# Altium PCB SkayboardAgain.PcbDoc (part 4 of 4)
Units mil, origin at the board's own origin, x right, y up, seen from the top; angles counter-clockwise.
Board outline 13972.57 x 4222.54 mil, 2 copper layers (Top Layer, Bottom Layer); 416 components, 229 nets, 1126 pads, 222 vias.
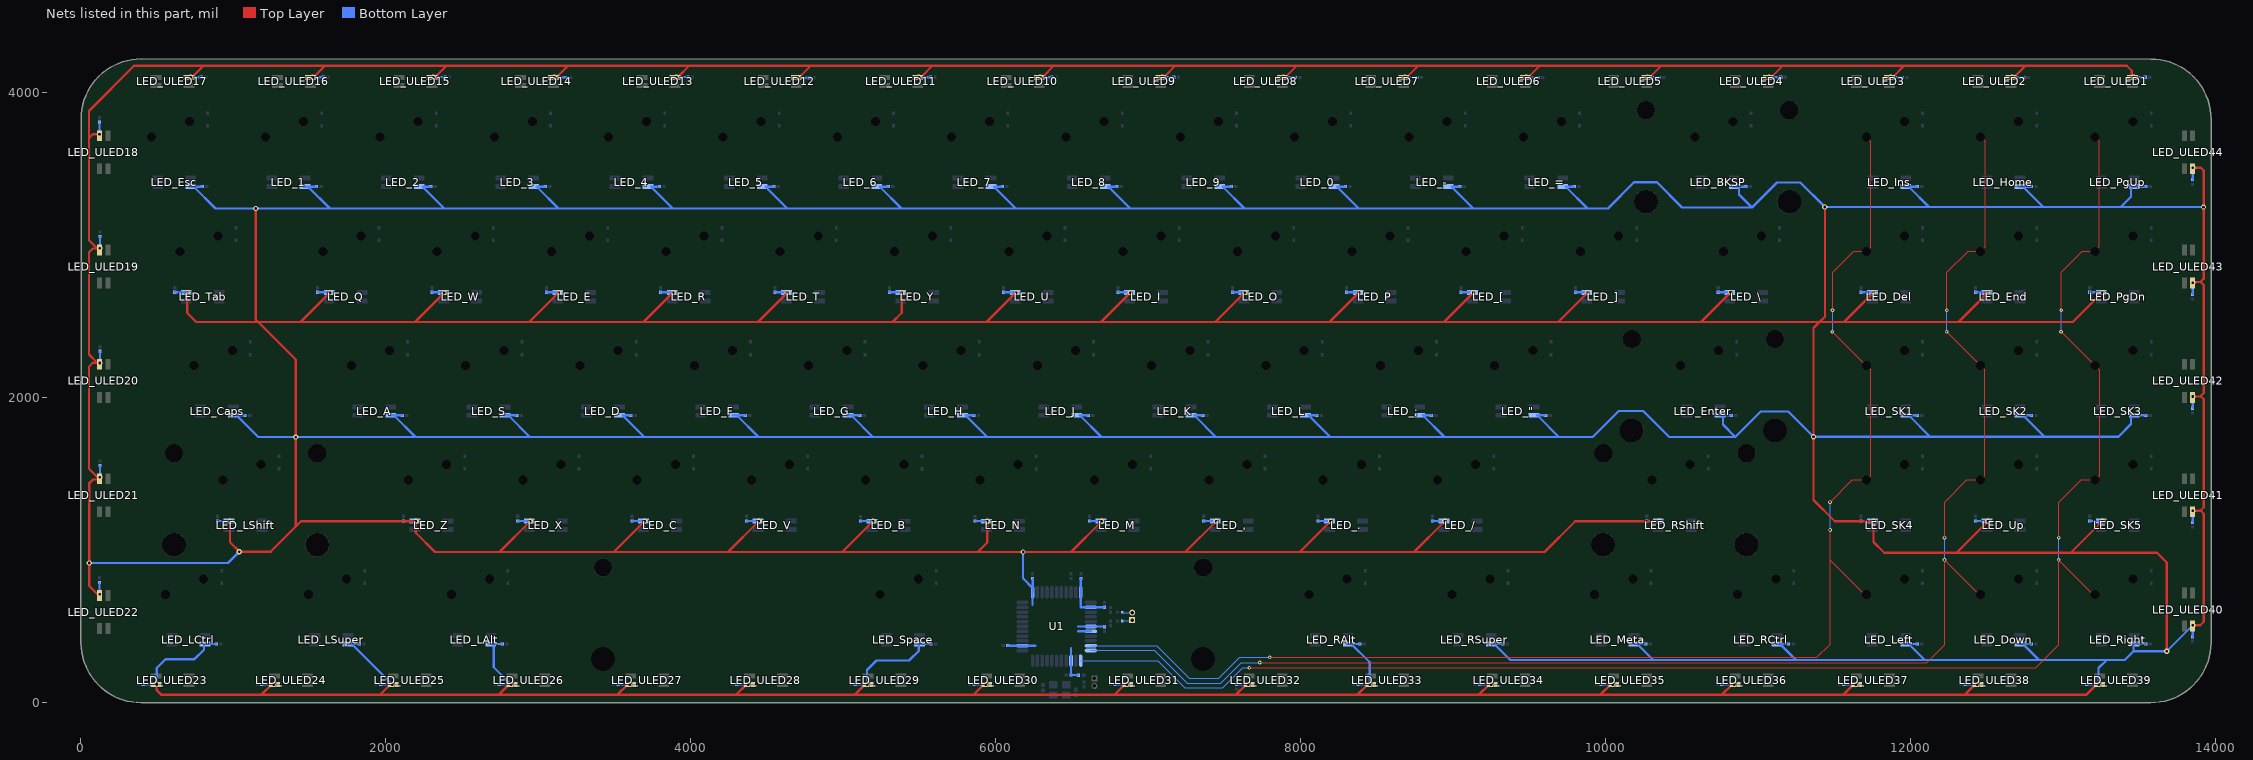
[diagram p4: the nets of this part, all layers, seen from the top]

## Via types
v1: diameter 35, hole 17, Top Layer to Bottom Layer, 135 vias
v2: diameter 24, hole 12, Top Layer to Bottom Layer, 86 vias
v3: diameter 30, hole 15, Top Layer to Bottom Layer, 1 vias

## Nets (pads, with @x,y where several pads share a name; then routed paths per layer and width w, separated by ;. In a path a pad name is that pad's centre, name@x,y a point inside that pad or via, vN(x,y) a via of type N, cw(c..) or ccw(c..) an arc to the next point about the centre after c; other vN are vias at no path point) (continued)
NetMX_Del_1: MX_Del.1 MX_Ins.1 MX_Left.1 MX_SK1.1 MX_SK4.1 U1.10 | length 9112.9
  Top Layer w5: v2(7797.93,297.29) 11386.77,297.29 11474.41,384.93 11474.41,935.04 ; v2(11473.77,1315.9) 11619.17,1461.29 MX_SK4.1@11711.3,1461.26 ; v2@11474.41,1135.41 11474.41,935.04 ; v2@11488.84,2433.1 11710.62,2211.31 ; v2(11490.16,2574.8) 11490.16,2822.83 11628.61,2961.28 11713.29,2961.28 ; 11698.16,711.29 11474.41,935.04 ; MX_SK4.1@11711.3,1461.26 11739.53,1489.49 11739.53,2183.04 MX_SK1.1@11711.3,2211.26 ; MX_Del.1@11711.3,2961.26 11715.89,2961.26 11741.44,2986.82 11741.44,3681.17 MX_Ins.1@11711.3,3711.31
  Bottom Layer w5: U1.10@6624.41,374.02 6625.39,375 7057.22,375 7271.42,160.8 7463.37,160.8 7599.85,297.29 v2(7797.93,297.29) ; v2(11473.77,1315.9) 11473.98,1315.69 11473.98,1135.83 v2@11474.19,1135.63 ; v2(11488.16,2433.1) 11490.16,2435.09 v2(11490.16,2574.8)
  other v2: 11474.19,1132.39
NetMX_Down_1: MX_Down.1 MX_End.1 MX_Home.1 MX_SK2.1 MX_Up.1 U1.11 | length 9872.8
  Top Layer w5: v2(7732.16,263.26) 12106.57,263.26 12224.41,381.1 v2@12224.41,935.04 ; v2(12224.41,937.01) v2@12224.41,935.04 ; v2(12224.41,1082.68) 12224.41,1314.96 12370.74,1461.29 MX_Up.1@12461.3,1461.26 12488.55,1488.51 12488.55,2183.38 v2@12238.84,2433.1 ; v2(12240.16,2574.8) 12240.16,2822.83 12378.61,2961.28 MX_End.1@12461.3,2961.26 12490.75,2990.71 12490.75,3681.86 MX_Home.1@12461.3,3711.31 ; 12448.16,711.29 v2@12224.41,935.04
  Bottom Layer w5: U1.11@6624.41,342.52 6626.89,345 7039.74,345 7255.76,128.98 7476.5,128.98 7610.79,263.26 v2(7732.16,263.26) ; v2(12224.41,937.01) v2(12224.41,1082.68) ; v2(12238.16,2433.1) 12240.16,2435.09 v2(12240.16,2574.8)
NetMX_PgDn_1: MX_PgDn.1 MX_PgUp.1 MX_Right.1 MX_SK3.1 MX_SK5.1 U1.12 | length 10689.8
  Top Layer w5: v2(7664.21,228.89) 12821.62,228.89 12974.41,381.67 v2@12974.41,935.04 ; v2(12974.41,937.01) v2@12974.41,935.04 ; v2(12974.41,1082.68) 12974.41,1314.96 13120.74,1461.29 MX_SK5.1@13211.3,1461.26 ; v2@12988.84,2433.1 13241.92,2180.02 13241.92,1491.88 MX_SK5.1@13211.3,1461.26 ; v2(12990.16,2574.8) 12990.16,2822.83 13128.61,2961.28 MX_PgDn.1@13211.3,2961.26 ; 13198.16,711.29 v2@12974.41,935.04 ; MX_PgUp.1@13211.3,3711.31 13240.57,3682.04 13240.57,2990.53 MX_PgDn.1@13211.3,2961.26 ; 13213.29,2961.28 MX_PgDn.1@13211.3,2961.26
  Bottom Layer w5: U1.12@6557.48,275.59 7062.78,275.59 7240.16,98.21 7490.53,98.21 7621.2,228.89 v2(7664.21,228.89) ; v2(12974.41,937.01) v2(12974.41,1082.68) ; v2(12988.16,2433.1) 12990.16,2435.09 v2(12990.16,2574.8)
NetR1_2: R1.2 USB1.2 | length 66.5
  Bottom Layer w5: R1.2@6830.75,594 6833.75,591 USB1.2@6896,591
NetR2_2: R2.2 USB1.1 | length 67.3
  Bottom Layer w5: R2.2@6830.75,536 6891,536 USB1.1@6896,541
VCC: "C_\".1" "LED_\".1" C7.2 C8.2 C9.2 C10.2 C11.2 C12.2 C_0.1 C_1.1 C_2.1 C_3.1 C_4.1 C_5.1 C_6.1 C_7.1 C_8.1 C_9.1 C_,.1 C_-.1 C_..1 C_/.1 C_;.1 C_=.1 C_[.1 C_\.1 C_].1 C_A.1 C_B.1 C_BKSP.1 C_C.1 C_Caps.1 C_D.1 C_Del.1 C_Down.1 C_E.1 C_End.1 C_Enter.1 C_Esc.1 C_F.1 C_G.1 C_H.1 C_Home.1 C_I.1 C_Ins.1 C_J.1 C_K.1 C_L.1 C_LAlt.1 C_LCtrl.1 C_Left.1 C_LShift.1 C_LSuper.1 C_M.1 C_Meta.1 C_N.1 C_O.1 C_P.1 C_PgDn.1 C_PgUp.1 C_Q.1 C_R.1 C_RAlt.1 C_RCtrl.1 C_Right.1 C_RShift.1 C_RSuper.1 C_S.1 C_SK1.1 C_SK2.1 C_SK3.1 C_SK4.1 C_SK5.1 C_Space.1 C_T.1 C_Tab.1 C_U.1 C_ULED1.1 C_ULED2.1 C_ULED3.1 C_ULED4.1 C_ULED5.1 C_ULED6.1 C_ULED7.1 C_ULED8.1 C_ULED9.1 C_ULED10.1 C_ULED11.1 C_ULED12.1 C_ULED13.1 C_ULED14.1 C_ULED15.1 C_ULED16.1 C_ULED17.1 C_ULED18.1 C_ULED19.1 C_ULED20.1 C_ULED21.1 C_ULED22.1 C_ULED23.1 C_ULED24.1 C_ULED25.1 C_ULED26.1 C_ULED27.1 C_ULED28.1 C_ULED29.1 C_ULED30.1 C_ULED31.1 C_ULED32.1 C_ULED33.1 C_ULED34.1 C_ULED35.1 C_ULED36.1 C_ULED37.1 C_ULED38.1 C_ULED39.1 C_ULED40.1 C_ULED41.1 C_ULED42.1 C_ULED43.1 C_ULED44.1 C_Up.1 C_V.1 C_W.1 C_X.1 C_Y.1 C_Z.1 LED_0.1 LED_1.1 LED_2.1 LED_3.1 LED_4.1 LED_5.1 LED_6.1 LED_7.1 LED_8.1 LED_9.1 LED_,.1 LED_-.1 LED_..1 LED_/.1 LED_;.1 LED_=.1 LED_[.1 LED_\.1 LED_].1 LED_A.1 LED_B.1 LED_BKSP.1 LED_C.1 LED_Caps.1 LED_D.1 LED_Del.1 LED_Down.1 LED_E.1 LED_End.1 LED_Enter.1 LED_Esc.1 LED_F.1 LED_G.1 LED_H.1 LED_Home.1 LED_I.1 LED_Ins.1 LED_J.1 LED_K.1 LED_L.1 LED_LAlt.1 LED_LCtrl.1 LED_Left.1 LED_LShift.1 LED_LSuper.1 LED_M.1 LED_Meta.1 LED_N.1 LED_O.1 LED_P.1 LED_PgDn.1 LED_PgUp.1 LED_Q.1 LED_R.1 LED_RAlt.1 LED_RCtrl.1 LED_Right.1 LED_RShift.1 LED_RSuper.1 LED_S.1 LED_SK1.1 LED_SK2.1 LED_SK3.1 LED_SK4.1 LED_SK5.1 LED_Space.1 LED_T.1 LED_Tab.1 LED_U.1 LED_ULED1.1 LED_ULED2.1 LED_ULED3.1 LED_ULED4.1 LED_ULED5.1 LED_ULED6.1 LED_ULED7.1 LED_ULED8.1 LED_ULED9.1 LED_ULED10.1 LED_ULED11.1 LED_ULED12.1 LED_ULED13.1 LED_ULED14.1 LED_ULED15.1 LED_ULED16.1 LED_ULED17.1 LED_ULED18.1 LED_ULED19.1 LED_ULED20.1 LED_ULED21.1 LED_ULED22.1 LED_ULED23.1 LED_ULED24.1 LED_ULED25.1 LED_ULED26.1 LED_ULED27.1 LED_ULED28.1 LED_ULED29.1 LED_ULED30.1 LED_ULED31.1 LED_ULED32.1 LED_ULED33.1 LED_ULED34.1 LED_ULED35.1 LED_ULED36.1 LED_ULED37.1 LED_ULED38.1 LED_ULED39.1 LED_ULED40.1 LED_ULED41.1 LED_ULED42.1 LED_ULED43.1 LED_ULED44.1 LED_Up.1 LED_V.1 LED_W.1 LED_X.1 LED_Y.1 LED_Z.1 R3.1 U1.2 U1.6 U1.7 U1.14 U1.24 U1.34 U1.44 | length 125125.6
  Top Layer w15: LED_ULED18.1@121.34,3729.79 77.62,3729.79 52.19,3704.35 ; LED_ULED20.1@122.44,2213.62 106.28,2229.79 ; LED_ULED19.1@122.44,2963.62 106.28,2979.79 ; LED_ULED22.1@123.54,697.46 53.29,767.71 v1(53.29,916.44) 53.29,1438.19 78.72,1463.62 122.44,1463.62 52.19,1533.87 52.19,2204.35 77.62,2229.79 106.28,2229.79 ; v1(497.64,119.44) 497.79,119.28 497.79,80.81 525.6,53 1184.18,53 ; v1(696.37,2690.5) 696.37,2556.63 756,2497 1162.82,2497 ; LED_ULED17.1@713,4103 LED_ULED17.1@728.39,4103 ; LED_ULED17.1@727.95,4102.56 LED_ULED17.1@728.39,4103 ; v1(977.62,1190.5) 977.62,1052.49 v1(1039.11,991) 1244.44,991 1409.11,1155.67 ; v1(1145.56,3242) 1145.56,2514.26 1162.82,2497 ; LED_ULED24.1@1276.21,119.44 v1(1263.41,119.44) 1250.62,119.44 1184.18,53 ; LED_ULED16.1@1512,4103 LED_ULED16.1@1525.27,4103 ; LED_ULED16.1@1524.83,4102.56 LED_ULED16.1@1525.27,4103 ; v1(1633.93,2690.5) 1440.42,2497 ; LED_ULED25.1@2054.78,119.44 v1(2041.98,119.44) 2029.19,119.44 1962.75,53 ; LED_ULED15.1@2311,4104 LED_ULED15.1@2323.14,4104 ; LED_ULED15.1@2321.7,4102.56 LED_ULED15.1@2323.14,4104 ; v1(2383.93,2690.5) 2190.42,2497 ; LED_ULED26.1@2833.35,119.44 v1(2820.56,119.44) 2807.76,119.44 2741.32,53 ; v1(2946.37,1190.5) 2744.5,988.63 ; LED_ULED14.1@3118.58,4102.56 3193.87,4177.85 ; v1(3133.93,2690.5) 2940.42,2497 ; LED_ULED27.1@3611.92,119.44 v1(3599.13,119.44) 3586.33,119.44 3519.9,53 ; v1(3696.38,1190.5) 3494.5,988.63 ; v1(3883.94,2690.5) 3690.43,2497 ; LED_ULED13.1@3905,4104 LED_ULED13.1@3916.89,4104 ; LED_ULED13.1@3915.45,4102.56 LED_ULED13.1@3916.89,4104 ; LED_ULED28.1@4390.49,119.44 v1(4377.7,119.44) 4364.9,119.44 4298.47,53 ; v1(4446.38,1190.5) 4244.5,988.63 ; v1(4633.94,2690.5) 4440.43,2497 ; LED_ULED12.1@4712.33,4102.56 4787.62,4177.85 ; LED_ULED29.1@5169.07,119.44 v1(5156.53,119.44) 5143.48,119.44 5077.04,53 ; v1(5195.43,1190.15) 4993.9,988.63 ; v1(5383.94,2690.5) 5383.94,2557.7 5323.24,2497 ; LED_ULED11.1@5496,4103 LED_ULED11.1@5509.64,4103 ; LED_ULED11.1@5509.2,4102.56 LED_ULED11.1@5509.64,4103 ; v1(5945.6,1190.15) 5945.6,1051.3 5882.93,988.63 ; LED_ULED30.1@5947.64,119.44 v1(5934.84,119.44) 5922.05,119.44 5855.61,53 ; v1(6133.94,2690.5) 5940.43,2497 ; v1@6179.81,988.63 6494.5,988.63 ; v1(6179.81,988.76) 6179.68,988.63 5882.93,988.63 ; LED_ULED10.1@6293,4103 LED_ULED10.1@6306.52,4103 ; LED_ULED10.1@6306.08,4102.56 LED_ULED10.1@6306.52,4103 ; v1(6696.38,1190.5) 6494.5,988.63 ; LED_ULED31.1@6872.64,119.44 v1(6859.84,119.44) 6847.05,119.44 6780.61,53 ; v1(6883.94,2690.5) 6690.43,2497 ; LED_ULED9.1@7092.48,4103.33 LED_ULED9.1@7103.73,4103.33 ; LED_ULED9.1@7102.95,4102.56 LED_ULED9.1@7103.73,4103.33 ; v1(7446.38,1190.5) 7244.5,988.63 ; v1(7633.94,2690.5) 7440.43,2497 ; LED_ULED32.1@7669.51,119.44 v1(7656.72,119.44) 7643.92,119.44 7577.49,53 ; LED_ULED8.1@7899.83,4102.56 7975.12,4177.85 ; v1(8196.38,1190.5) 7994.5,988.63 ; v1(8383.94,2690.5) 8190.43,2497 ; v1(8453.59,119.44) 8440.8,119.44 8374.36,53 ; LED_ULED7.1@8696.7,4102.56 8771.99,4177.85 ; v1(8946.38,1190.5) 8744.5,988.63 ; v1(9133.94,2690.5) 8940.43,2497 ; v1(9250.47,119.44) 9237.67,119.44 9171.24,53 ; LED_ULED6.1@9493.58,4102.56 9568.87,4177.85 ; v1(9883.94,2690.5) 9690.43,2497 ; LED_ULED35.1@10060.14,119.44 v1(10047.34,119.44) 10034.55,119.44 9968.11,53 ; LED_ULED5.1@10290.45,4102.56 10365.74,4177.85 ; v1(10352.64,1190.5) 9802.5,1190.5 9600.63,988.63 8744.5,988.63 ; v1(10820.61,2691.27) 10626.34,2497 ; LED_ULED36.1@10857.01,119.44 v1(10844.22,119.44) 10831.42,119.44 10764.99,53 ; LED_ULED4.1@11072.99,4102.9 LED_ULED4.1@11087.67,4102.9 ; LED_ULED4.1@11087.33,4102.56 LED_ULED4.1@11087.67,4102.9 ; v1(11439.8,3251.8) 11439.8,2532.38 11404.42,2497 ; LED_ULED37.1@11653.89,119.44 v1(11641.09,119.44) 11628.3,119.44 11561.86,53 ; v1(11758.94,2690.5) 11565.43,2497 ; LED_ULED3.1@11858.61,4102.56 11884.2,4102.56 11959.49,4177.85 ; LED_ULED38.1@12450.76,119.44 v1(12437.97,119.44) 12425.17,119.44 12358.74,53 ; v1(12508.94,1190.5) 12302.43,984 ; v1(12508.94,2690.5) 12315.43,2497 ; LED_ULED2.1@12655.49,4102.56 12681.08,4102.56 12756.37,4177.85 ; LED_ULED39.1@13222.05,119.44 LED_ULED39.1@13221.61,119 ; v1(13235.28,119) LED_ULED39.1@13221.61,119 ; v1(13258.94,1190.5) 13052.43,984 ; v1(13258.94,2690.5) 13065.43,2497 12315.43,2497 ; LED_ULED1.1@13452.36,4102.56 13452.36,4144.71 13419.22,4177.85 12756.37,4177.85 ; v1(13682.81,337.77) 13682.81,919.19 13618,984 13052.43,984 ; LED_ULED43.1@13852.05,2759.4 13901.89,2759.4 ; LED_ULED42.1@13852.31,2009.15 13902.14,2009.15 ; LED_ULED41.1@13852.56,1258.9 13902.39,1258.9 ; LED_ULED44.1@13852.56,3509.66 13905.4,3509.66 13924.33,3490.72 13924.33,2781.85 13901.89,2759.4 ; LED_ULED40.1@13852.81,508.65 13902.64,508.65 13925.09,531.09 13925.09,1239.96 13906.15,1258.9 13902.39,1258.9 ; 52.19,3704.35 52.19,3882.01 348.03,4177.85 803.24,4177.85 ; 52.19,3704.35 52.19,3033.87 106.28,2979.79 ; 106.28,2229.79 52.19,2283.87 52.19,2954.35 77.62,2979.79 106.28,2979.79 ; LED_ULED17.1@728.39,4103 803.24,4177.85 ; 803.24,4177.85 1600.12,4177.85 ; 1162.82,2497 1440.42,2497 ; 1162.82,2497 1409.11,2250.71 v1(1409.11,1742.52) 1409.11,1155.67 ; 1184.18,53 1962.75,53 ; 1409.11,1155.67 1443.95,1190.5 v1(2196.37,1190.5) 2196.37,1114.57 2322.32,988.63 2744.5,988.63 ; 1440.42,2497 2190.42,2497 ; LED_ULED16.1@1525.27,4103 1600.12,4177.85 ; 1600.12,4177.85 2396.99,4177.85 ; 1962.75,53 2741.32,53 ; 2190.42,2497 2940.42,2497 ; LED_ULED15.1@2323.14,4104 2396.99,4177.85 ; 2396.99,4177.85 3193.87,4177.85 ; 2741.32,53 3519.9,53 ; 2744.5,988.63 3494.5,988.63 ; 2940.42,2497 3690.43,2497 ; 3193.87,4177.85 3990.74,4177.85 ; 3494.5,988.63 4244.5,988.63 ; 3519.9,53 4298.47,53 ; 3690.43,2497 4440.43,2497 ; LED_ULED13.1@3916.89,4104 3990.74,4177.85 ; 3990.74,4177.85 4787.62,4177.85 ; 4244.5,988.63 4993.9,988.63 ; 4298.47,53 5077.04,53 ; 4440.43,2497 5323.24,2497 ; 4787.62,4177.85 5584.49,4177.85 ; 4993.9,988.63 5882.93,988.63 ; 5077.04,53 5855.61,53 ; 5323.24,2497 5940.43,2497 ; LED_ULED11.1@5509.64,4103 5584.49,4177.85 ; 5584.49,4177.85 6381.37,4177.85 ; 5855.61,53 6780.61,53 ; 5940.43,2497 6690.43,2497 ; LED_ULED10.1@6306.52,4103 6381.37,4177.85 ; 6381.37,4177.85 7178.24,4177.85 ; 6494.5,988.63 7244.5,988.63 ; 6690.43,2497 7440.43,2497 ; 6780.61,53 7577.49,53 ; LED_ULED9.1@7103.73,4103.33 7178.24,4177.85 ; 7178.24,4177.85 7975.12,4177.85 ; 7244.5,988.63 7994.5,988.63 ; 7440.43,2497 8190.43,2497 ; 7577.49,53 8374.36,53 ; 7975.12,4177.85 8771.99,4177.85 ; 7994.5,988.63 8744.5,988.63 ; 8190.43,2497 8940.43,2497 ; 8374.36,53 9171.24,53 ; 8771.99,4177.85 9568.87,4177.85 ; 8940.43,2497 9690.43,2497 ; 9171.24,53 9968.11,53 ; 9568.87,4177.85 10365.74,4177.85 ; 9690.43,2497 10626.34,2497 ; 9968.11,53 10764.99,53 ; 10365.74,4177.85 11162.62,4177.85 ; 10626.34,2497 11404.42,2497 ; 10764.99,53 11561.86,53 ; LED_ULED4.1@11087.67,4102.9 11162.62,4177.85 ; 11162.62,4177.85 11959.49,4177.85 ; 11404.42,2497 11365.17,2457.75 v1(11365.17,1745) 11365.17,1330.44 11505.11,1190.5 v1(11758.94,1190.5) 11758.94,1054.71 11829.65,984 12302.43,984 ; 11404.42,2497 11565.43,2497 ; 11561.86,53 12358.74,53 ; 11565.43,2497 12315.43,2497 ; 11959.49,4177.85 12756.37,4177.85 ; 12302.43,984 13052.43,984 ; 12358.74,53 13155.61,53 LED_ULED39.1@13221.61,119 ; 13901.89,2759.4 13905.65,2759.4 13924.59,2740.47 13924.59,2031.6 13902.14,2009.15 ; 13902.14,2009.15 13905.9,2009.15 13924.84,1990.21 13924.84,1281.35 13902.39,1258.9
  Bottom Layer w5: LED_RAlt.1@8307.36,385.39 LED_RAlt.1@8307.81,384.95 ; LED_RSuper.1@9244.84,385.39 LED_RSuper.1@9245.29,384.95 ; LED_Meta.1@10182.36,385.39 LED_Meta.1@10182.81,384.95 ; LED_RCtrl.1@11119.84,385.39 LED_RCtrl.1@11120.29,384.95 ; LED_Down.1@12713.66,385.39 LED_Down.1@12714.1,384.95 ; LED_SK3.1@13463.66,1885.39 LED_SK3.1@13464.1,1884.95 ; LED_PgUp.1@13463.66,3385.44 LED_PgUp.1@13464.1,3385
  Bottom Layer w15: v1@52.85,916.44 v1(53.29,916.44) 964.55,916.44 v1(1039.11,991) ; v1@121.34,3729.79 C_ULED18.1@121.34,3806.22 ; v1@121.96,712.15 C_ULED22.1@121.96,788.58 ; v1@124,1479 C_ULED21.1@124,1555.43 ; v1@124,2228 C_ULED20.1@124,2304.43 ; v1@124,2981 C_ULED19.1@124,3057.43 ; C_ULED23.1@407.57,119 v1@484,119 ; v1(497.64,119.44) 497.64,227.7 555.69,285.75 744.75,285.75 807,348 807,384.16 807.78,384.95 C_LCtrl.1@888.73,384.95 ; C_Tab.1@615,2692.04 LED_Tab.1@685.86,2692.04 ; LED_Tab.1@685.86,2690.5 v1(696.37,2690.5) ; LED_Esc.1@713.65,3385.44 739.24,3385.44 LED_Esc.1@739.68,3385 ; v1@728.39,4103 C_ULED17.1@789.43,4103 ; C_Esc.1@795.04,3385 LED_Esc.1@739.68,3385 ; C_LShift.1@896.25,1192.04 976.08,1192.04 v1(977.62,1190.5) ; LED_Caps.1@994.84,1885.39 1020.43,1885.39 LED_Caps.1@1020.87,1884.95 ; C_Caps.1@1076.23,1884.95 LED_Caps.1@1020.87,1884.95 ; C_ULED24.1@1186.98,119.44 v1@1250.62,119.44 ; LED_1.1@1463.57,3385.44 1489.16,3385.44 LED_1.1@1489.6,3385 ; v1@1525.27,4103 C_ULED16.1@1588.43,4103 ; C_1.1@1544.96,3385 LED_1.1@1489.6,3385 ; C_Q.1@1552.56,2692.04 1632.39,2692.04 v1(1633.93,2690.5) ; LED_LSuper.1@1745.29,384.95 LED_LSuper.1@1776.48,384.95 ; C_LSuper.1@1826.24,384.95 LED_LSuper.1@1776.48,384.95 ; C_ULED25.1@1965.55,119.44 v1@2029.19,119.44 ; LED_A.1@2026.1,1885.39 2051.69,1885.39 LED_A.1@2052.13,1884.95 ; v1(2041.98,119.44) 1788.22,373.2 1782.62,373.2 1776.48,379.35 LED_LSuper.1@1776.48,384.95 ; C_A.1@2107.49,1884.95 LED_A.1@2052.13,1884.95 ; C_Z.1@2115,1192.04 2194.84,1192.04 v1(2196.37,1190.5) ; C_2.1@2294.96,3385 2239.6,3385 2382.6,3242 ; C_W.1@2302.56,2692.04 2382.39,2692.04 v1(2383.93,2690.5) ; v1@2323.14,4104 C_ULED15.1@2387.43,4104 ; LED_LAlt.1@2682.35,385.39 2707.94,385.39 LED_LAlt.1@2707.94,384.95 ; C_ULED26.1@2744.12,119.44 v1@2807.76,119.44 ; C_LAlt.1@2763.74,384.95 LED_LAlt.1@2707.94,384.95 ; LED_S.1@2776.1,1885.39 2801.69,1885.39 LED_S.1@2802.13,1884.95 ; v1(2820.56,119.44) 2707.94,232.06 LED_LAlt.1@2707.94,384.95 ; C_S.1@2857.49,1884.95 LED_S.1@2802.13,1884.95 ; C_X.1@2865,1192.04 2944.84,1192.04 v1(2946.37,1190.5) ; C_3.1@3044.96,3385 2989.6,3385 3132.6,3242 ; C_E.1@3052.56,2692.04 3132.39,2692.04 v1(3133.93,2690.5) ; v1@3105,4102 C_ULED14.1@3181.43,4102 ; C_ULED27.1@3522.69,119.44 v1@3586.33,119.44 ; C_D.1@3607.49,1884.95 3552.13,1884.95 3694.56,1742.52 ; C_C.1@3615.01,1192.04 3694.85,1192.04 v1(3696.38,1190.5) ; C_4.1@3794.9,3385 3739.54,3385 3882.54,3242 ; C_R.1@3802.57,2692.04 3882.4,2692.04 v1(3883.94,2690.5) ; v1@3916.89,4104 C_ULED13.1@3981.43,4104 ; LED_F.1@4276.1,1885.39 4301.7,1885.39 LED_F.1@4302.14,1884.95 ; C_ULED28.1@4301.27,119.44 v1@4364.9,119.44 ; C_F.1@4357.5,1884.95 LED_F.1@4302.14,1884.95 ; C_V.1@4365.01,1192.04 4444.85,1192.04 v1(4446.38,1190.5) ; C_5.1@4544.98,3385 4489.62,3385 4632.62,3242 ; C_T.1@4552.57,2692.04 4632.4,2692.04 v1(4633.94,2690.5) ; v1@4700,4100 C_ULED12.1@4776.43,4100 ; LED_G.1@5026.1,1885.39 5051.7,1885.39 LED_G.1@5052.14,1884.95 ; C_ULED29.1@5079.84,119.44 v1@5143.48,119.44 ; C_G.1@5107.5,1884.95 LED_G.1@5052.14,1884.95 ; C_B.1@5114.06,1191.69 5193.89,1191.69 v1(5195.43,1190.15) ; v1(5156.53,119.44) 5156.53,214.53 5219.06,277.06 5432.06,277.06 5494.84,339.84 LED_Space.1@5494.84,385.39 ; C_6.1@5295.05,3385 5239.69,3385 5382.69,3242 ; C_Y.1@5302.57,2692.04 5382.4,2692.04 v1(5383.94,2690.5) ; LED_Space.1@5495.29,384.95 C_Space.1@5576.24,384.95 ; v1@5509.64,4103 C_ULED11.1@5572.43,4103 ; C_H.1@5857.5,1884.95 5802.14,1884.95 5944.56,1742.52 ; C_ULED30.1@5858.41,119.44 v1@5922.05,119.44 ; C_N.1@5864.23,1191.69 5944.07,1191.69 v1(5945.6,1190.15) ; C_7.1@6044.98,3385 5989.62,3385 6132.62,3242 ; C_U.1@6052.57,2692.04 6132.4,2692.04 v1(6133.94,2690.5) ; C9.2@6079.96,374 U1.24@6175.59,374.02 ; U1.24@6176.84,372.75 6260.29,372.75 ; v1@6178.36,987.31 v1(6179.81,988.76) 6179.81,815.67 6242.26,753.21 6242.26,640.7 ; U1.34@6243.18,726.41 C7.2@6243.18,814.55 ; v1@6306.52,4103 C_ULED10.1@6369.43,4103 ; C12.2@6493.74,182.22 C12.2@6493.96,182 C12.2@6493.96,182 ; 6494.49,357.5 U1.14@6494.49,275.59 6494.22,275.33 6494.22,182.19 C12.2@6493.96,182 ; 6542,468 6542.5,468.5 U1.7@6624.41,468.5 ; 6542,500 U1.6@6624.41,500 6624.91,500.5 6713.54,500.5 C11.2@6714.04,501 ; R3.1@6543.28,180 6542.28,181 6494.96,181 C12.2@6493.96,182 ; 6557.48,640.96 U1.44@6557.48,724.41 6558.74,725.67 6558.74,813.78 C8.2@6560,815.04 ; 6558,625.99 U1.2@6624.41,625.98 ; C_J.1@6607.5,1884.95 6552.14,1884.95 6694.56,1742.52 ; C_M.1@6615.01,1192.04 6694.85,1192.04 v1(6696.38,1190.5) ; U1.2@6622.76,627.63 U1.2@6624.41,625.98 ; C10.2@6714.03,625.99 U1.2@6624.41,625.98 ; C_ULED31.1@6783.41,119.44 v1@6847.05,119.44 ; C_8.1@6794.98,3385 6739.62,3385 6882.62,3242 ; C_I.1@6802.57,2692.04 6882.4,2692.04 v1(6883.94,2690.5) ; v1@7103.73,4103.33 C_ULED9.1@7168.91,4103.33 ; C_K.1@7357.5,1884.95 7302.14,1884.95 7444.56,1742.52 ; 7365.01,1192.04 7444.85,1192.04 v1(7446.38,1190.5) ; C_9.1@7545.05,3385 7489.69,3385 7632.69,3242 ; C_O.1@7552.57,2692.04 7632.4,2692.04 v1(7633.94,2690.5) ; C_ULED32.1@7580.28,119.44 v1@7643.92,119.44 ; v1@7888,4102 C_ULED8.1@7964.43,4102 ; C_L.1@8107.5,1884.95 8052.14,1884.95 8194.56,1742.52 ; C_..1@8115.01,1192.04 8194.85,1192.04 v1(8196.38,1190.5) ; C_0.1@8295.05,3385 8239.69,3385 8382.69,3242 ; C_P.1@8302.57,2692.04 8382.4,2692.04 v1(8383.94,2690.5) ; LED_RAlt.1@8307.81,384.95 LED_RAlt.1@8333.4,384.95 ; C_ULED33.1@8377.16,119.44 v1@8440.8,119.44 ; C_RAlt.1@8388.76,384.95 LED_RAlt.1@8333.4,384.95 ; v1(8453.59,119.44) 8453.59,264.75 LED_RAlt.1@8333.4,384.95 ; v1@8685.79,4101.74 C_ULED7.1@8762.22,4101.74 ; 8857.5,1884.95 8802.14,1884.95 8944.56,1742.52 ; C_/.1@8865.01,1192.04 8944.85,1192.04 v1(8946.38,1190.5) ; C_-.1@9045.05,3385 8989.69,3385 9132.69,3242 ; C_[.1@9052.57,2692.04 9132.4,2692.04 v1(9133.94,2690.5) ; C_ULED34.1@9174.03,119.44 v1@9237.67,119.44 ; LED_RSuper.1@9245.29,384.95 LED_RSuper.1@9270.88,384.95 ; C_RSuper.1@9326.24,384.95 LED_RSuper.1@9270.88,384.95 ; v1@9481.31,4101.66 C_ULED6.1@9557.75,4101.66 ; 9607.5,1884.95 9552.14,1884.95 9694.56,1742.52 ; C_=.1@9795.05,3385 9739.69,3385 9882.69,3242 ; C_].1@9802.57,2692.04 9882.4,2692.04 v1(9883.94,2690.5) ; C_ULED35.1@9970.91,119.44 v1@10034.55,119.44 ; LED_Meta.1@10182.81,384.95 LED_Meta.1@10208.4,384.95 ; C_Meta.1@10263.76,384.95 LED_Meta.1@10208.4,384.95 ; C_RShift.1@10271.27,1192.04 10351.11,1192.04 v1(10352.64,1190.5) ; v1@10276.77,4101.94 C_ULED5.1@10353.21,4101.94 ; C_\.1@10740.01,2692.04 10819.85,2692.04 v1(10820.61,2691.27) ; LED_Enter.1@10744.84,1885.39 10770.43,1885.39 LED_Enter.1@10770.88,1884.95 ; C_ULED36.1@10764.11,119.44 v1@10831.42,119.44 ; C_Enter.1@10826.24,1884.95 LED_Enter.1@10770.88,1884.95 ; LED_BKSP.1@10838.66,3385.44 10864.25,3385.44 LED_BKSP.1@10864.69,3385 ; C_BKSP.1@10920.05,3385 LED_BKSP.1@10864.69,3385 ; v1@11087.67,4102.9 C_ULED4.1@11149.43,4102.9 ; LED_RCtrl.1@11120.29,384.95 LED_RCtrl.1@11145.88,384.95 ; C_RCtrl.1@11201.24,384.95 LED_RCtrl.1@11145.88,384.95 ; C_ULED37.1@11564.66,119.44 v1@11628.3,119.44 ; C_SK4.1@11677.57,1192.04 11757.4,1192.04 v1(11758.94,1190.5) ; C_Del.1@11677.57,2692.04 11757.4,2692.04 v1(11758.94,2690.5) ; v1@11884.2,4102.56 C_ULED3.1@11947.84,4102.56 ; LED_Left.1@11963.66,385.39 11989.25,385.39 LED_Left.1@11989.69,384.95 ; LED_SK1.1@11963.66,1885.39 11989.25,1885.39 LED_SK1.1@11989.69,1884.95 ; LED_Ins.1@11963.66,3385.44 11989.25,3385.44 LED_Ins.1@11989.69,3385 ; C_Left.1@12045.05,384.95 LED_Left.1@11989.69,384.95 ; C_SK1.1@12045.05,1884.95 LED_SK1.1@11989.69,1884.95 ; C_Ins.1@12045.05,3385 LED_Ins.1@11989.69,3385 ; C_ULED38.1@12361.53,119.44 v1@12425.17,119.44 ; C_Up.1@12427.57,1192.04 12507.4,1192.04 v1(12508.94,1190.5) ; C_End.1@12427.57,2692.04 12507.4,2692.04 v1(12508.94,2690.5) ; v1@12681.08,4102.56 C_ULED2.1@12744.72,4102.56 ; LED_SK2.1@12713.66,1885.39 12739.25,1885.39 LED_SK2.1@12739.69,1884.95 ; LED_Home.1@12713.66,3385.44 12739.25,3385.44 LED_Home.1@12739.69,3385 ; LED_Down.1@12714.1,384.95 LED_Down.1@12739.69,384.95 ; C_Down.1@12795.05,384.95 LED_Down.1@12739.69,384.95 ; C_SK2.1@12795.05,1884.95 LED_SK2.1@12739.69,1884.95 ; C_Home.1@12795.05,3385 LED_Home.1@12739.69,3385 ; C_ULED39.1@13158.85,119 v1@13221.61,119 ; C_SK5.1@13177.57,1192.04 13257.4,1192.04 v1(13258.94,1190.5) ; C_PgDn.1@13177.57,2692.04 13257.4,2692.04 v1(13258.94,2690.5) ; v1(13235.28,119) 13235.28,227.28 13288.04,280.04 ; LED_SK3.1@13463.66,1885.39 13459.88,1885.39 13447.7,1873.2 13447.7,1827.64 13365.06,1745 12879.64,1745 ; LED_PgUp.1@13463.66,3385.44 13459.88,3385.44 13447.7,3373.26 13447.7,3318.3 13381.2,3251.8 ; LED_SK3.1@13464.1,1884.95 C_SK3.1@13545.05,1884.95 ; LED_PgUp.1@13464.1,3385 C_PgUp.1@13545.05,3385 ; v1@13465,4103 C_ULED1.1@13541.43,4103 ; C_Right.1@13545.05,384.95 13464.1,384.95 13464.1,337.77 ; C_ULED44.1@13852.28,3432.24 v1@13852.28,3508.67 ; C_ULED43.1@13852.28,2678.19 v1@13852.28,2754.62 ; C_ULED40.1@13852.56,432.47 v1@13852.56,507.51 ; v1@13852.56,508.9 v1@13852.56,507.51 ; C_ULED41.1@13852.56,1182.47 v1(13852.56,1257.9) v1@13852.56,1258.9 ; C_ULED42.1@13852.56,1932.47 v1@13852.56,2008.9 ; v1(13853.25,508.21) v1@13852.56,507.51 ; v1@13923.08,3251.8 13381.2,3251.8 ; LED_Esc.1@739.68,3385 882.68,3242 v1(1145.56,3242) 1632.6,3242 ; LED_Caps.1@1020.87,1884.95 1163.3,1742.52 v1(1409.11,1742.52) 2194.56,1742.52 ; LED_1.1@1489.6,3385 1632.6,3242 ; 1632.6,3242 2382.6,3242 ; LED_A.1@2052.13,1884.95 2194.56,1742.52 ; 2194.56,1742.52 2944.56,1742.52 ; 2382.6,3242 3132.6,3242 ; LED_S.1@2802.13,1884.95 2944.56,1742.52 ; 2944.56,1742.52 3694.56,1742.52 ; 3132.6,3242 3882.54,3242 ; 3694.56,1742.52 4444.56,1742.52 ; 3882.54,3242 4632.62,3242 ; LED_F.1@4302.14,1884.95 4444.56,1742.52 ; 4444.56,1742.52 5194.56,1742.52 ; 4632.62,3242 5382.69,3242 ; LED_G.1@5052.14,1884.95 5194.56,1742.52 ; 5194.56,1742.52 5944.56,1742.52 ; 5382.69,3242 6132.62,3242 ; 5944.56,1742.52 6694.56,1742.52 ; 6132.62,3242 6882.62,3242 ; 6694.56,1742.52 7444.56,1742.52 ; 6882.62,3242 7632.69,3242 ; 7444.56,1742.52 8194.56,1742.52 ; 7632.69,3242 8382.69,3242 ; 8194.56,1742.52 8944.56,1742.52 ; 8382.69,3242 9132.69,3242 ; 8944.56,1742.52 9694.56,1742.52 ; 9132.69,3242 9882.69,3242 ; LED_RSuper.1@9270.88,384.95 9375.78,280.04 10313.3,280.04 ; 9694.56,1742.52 9916.95,1742.52 10087.52,1913.08 10248.91,1913.08 10418.99,1743 10852.17,1743 ; 9882.69,3242 10016.83,3242 10188.23,3413.4 10337.92,3413.4 10502.84,3248.48 10961.01,3248.48 ; LED_Meta.1@10208.4,384.95 10313.3,280.04 ; 10313.3,280.04 11250.78,280.04 ; LED_Enter.1@10770.88,1884.95 10770.88,1824.29 10852.17,1743 ; 10852.17,1743 11019.7,1910.53 11199.64,1910.53 v1(11365.17,1745) 12129.64,1745 ; LED_BKSP.1@10864.69,3385 10876.44,3373.26 10876.44,3333.06 10961.01,3248.48 ; 10961.01,3248.48 11125.46,3412.93 11278.67,3412.93 v1(11439.8,3251.8) 12122.89,3251.8 ; LED_RCtrl.1@11145.88,384.95 11250.78,280.04 ; 11250.78,280.04 12094.6,280.04 ; LED_Left.1@11989.69,384.95 12094.6,280.04 ; LED_SK1.1@11989.69,1884.95 12129.64,1745 ; LED_Ins.1@11989.69,3385 12122.89,3251.8 ; 12094.6,280.04 12844.6,280.04 ; 12122.89,3251.8 12872.89,3251.8 ; 12129.64,1745 12879.64,1745 ; LED_Down.1@12739.69,384.95 12844.6,280.04 ; LED_SK2.1@12739.69,1884.95 12879.64,1745 ; LED_Home.1@12739.69,3385 12872.89,3251.8 ; 12844.6,280.04 13288.04,280.04 ; 12872.89,3251.8 13381.2,3251.8 ; 13288.04,280.04 13406.38,280.04 13464.1,337.77 ; 13464.1,337.77 v1(13682.81,337.77) v1@13852.56,507.51
  other v1: 121.81,712.31 123.84,1479.16 13853,2008.46 123.84,2228.16 13852.72,2754.18 123.84,2981.16 13923.52,3251.36 13852.72,3508.23 121.19,3729.94 4699.84,4100.16 3104.84,4102.16 7887.84,4102.16 8685.63,4101.9 9481.16,4101.82 10276.62,4102.1 720.54,4103.16 1518.48,4103.16 5495.84,4103.16 6292.84,4103.16 7092.32,4103.49 11072.84,4103.06 11871.25,4102.72 12668.13,4102.72 13464.84,4103.16 2310.84,4104.16 3904.84,4104.16
pads on no net: BKSP. Enter. LShift. RShift. Space. U1.27 U1.28 U1.36
copper on no net: | length 845.2
  Bottom Layer w5: v1(5851.32,559.6) 5859.44,559.6 5867.89,551.15 5868.23,551.15 5919.38,500 6175.59,500 ; v1(5894.1,475.21) 5899.84,469.47 5911.07,469.47 5912.03,468.5 5921.6,468.5 6175.59,468.5 ; v1(6266,920) 6305.51,880.49 6305.51,724.41

## Polygon pours and split planes (outlines as drawn)
GND on Bottom Layer "GND_L02_P011" (hatched 45Degree grid 35 track 8, remove dead copper, pour order 11): -7,4272 -7,-20 13806,-20 14167,341 14167,4330
VCC on Bottom Layer "MCU_VCC" (solid, pour order 8): 6232.68,667.32 6232.68,332.68 6567.32,332.68 6567.32,667.32
GND on Top Layer "GND_L01_P012" (hatched 45Degree grid 35 track 8, pour order 12): -7,4249 -7,-20 13938,-20 14162,204 14162,4321

## Other copper
Bottom Layer:
  rectangle net VCC: 6596.85,469 6653,500

## Silkscreen, mask and mechanical layers (free items; w line width, h text height)
Top Overlay:
  text "- By Skaytacium and NNNI" at 473.5,1835.59 h70 r90
  text "Skayboard" at 412.26,1445.88 h250 r90
Mechanical 1:
  drawing of 616 lines, arcs and shapes, not listed